# Altium PCB [CC2538] PCB v2.PcbDoc (continued)
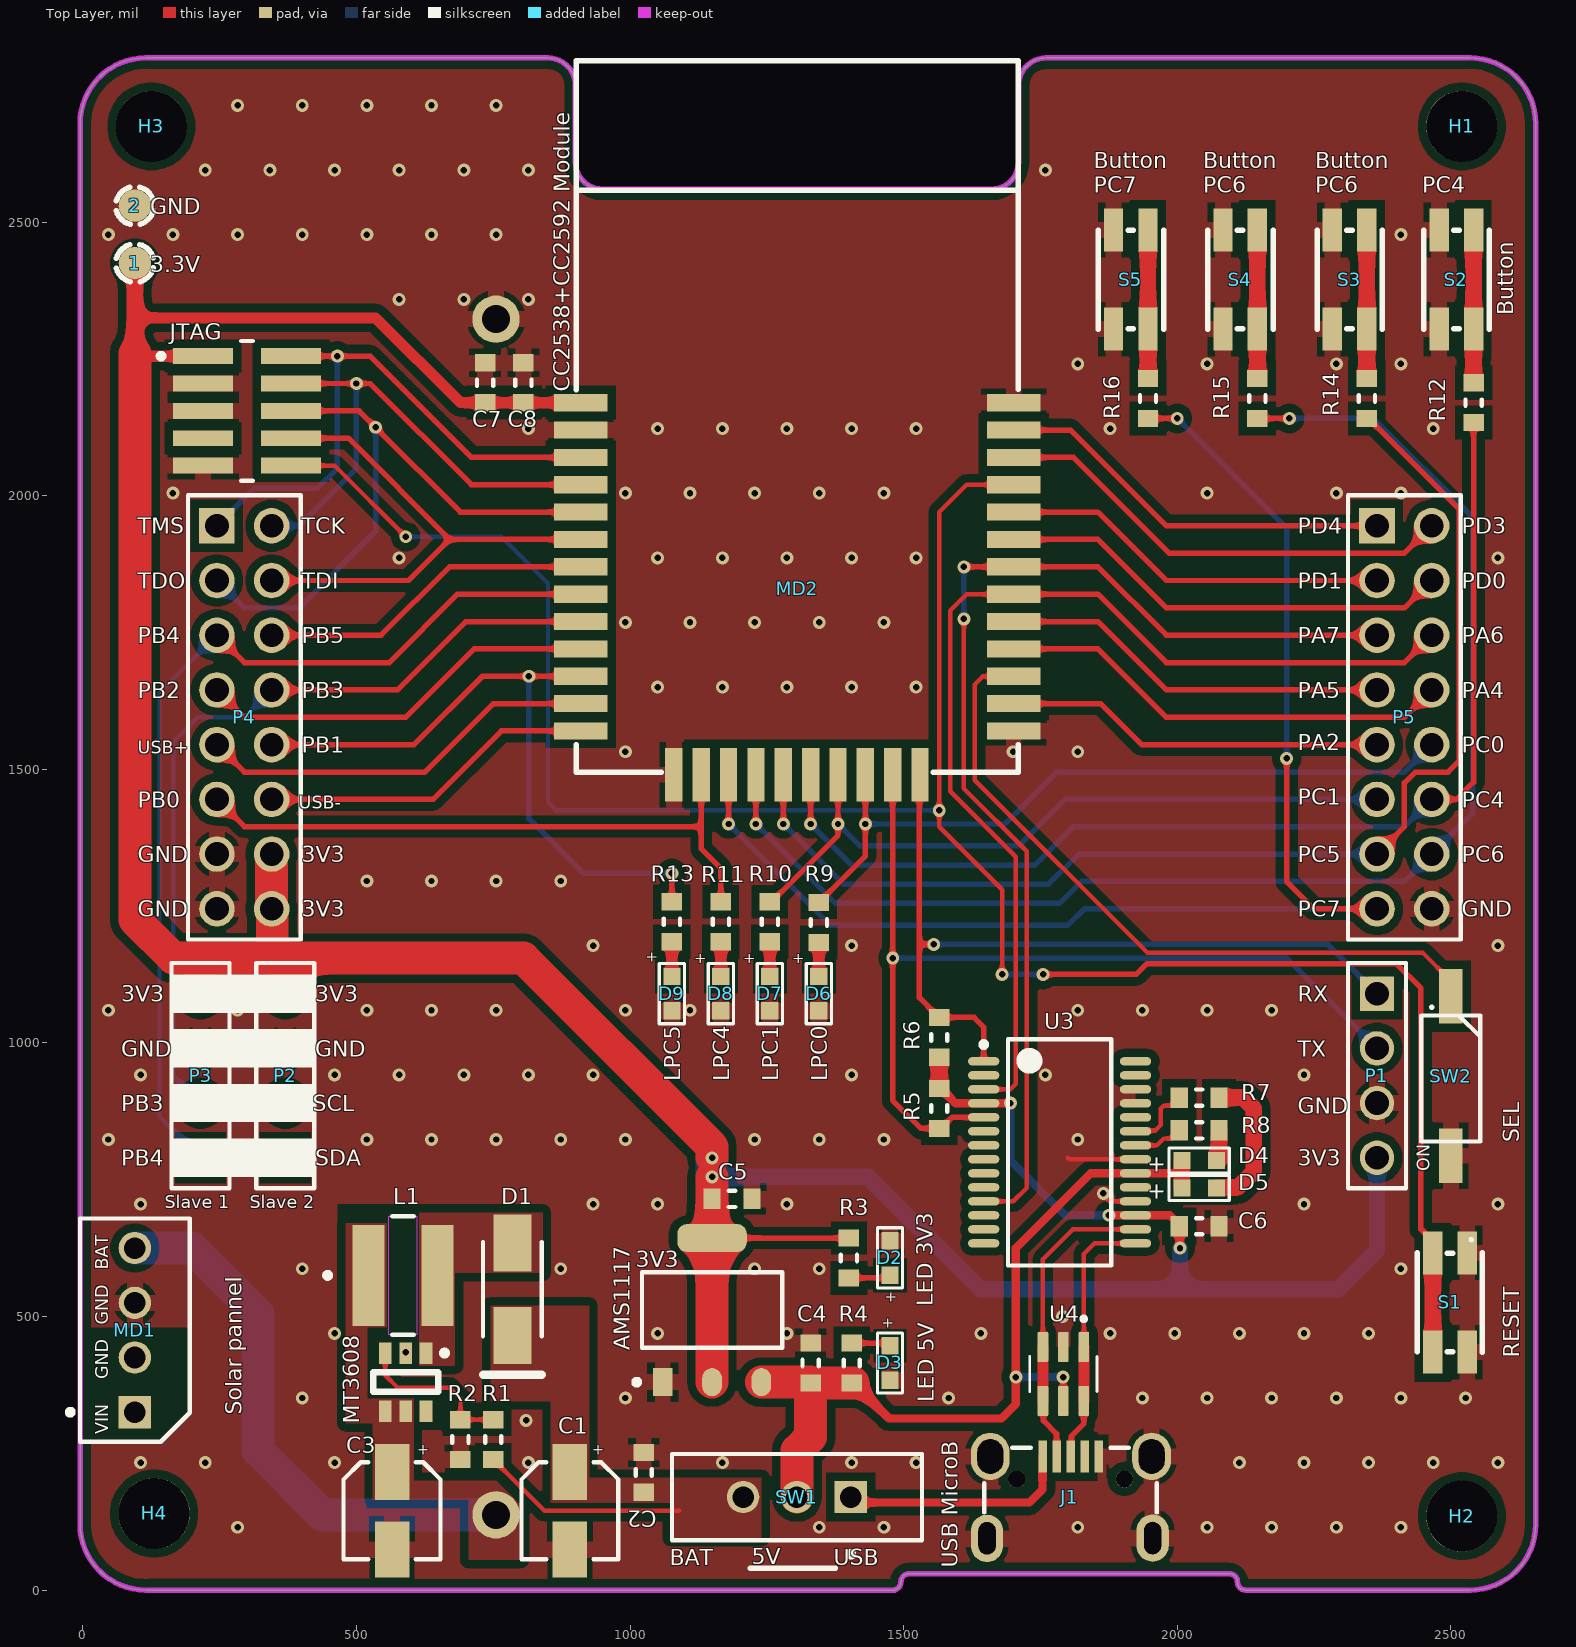
[diagram p0: Top Layer view]
## Footprints (in the part's own frame and the unit in brackets; to place one, negate y for a bottom-side part, rotate by r counter-clockwise, add the part's x,y. Pads: shape width x height; smd on the part's side, far side on the other; paste and mask are expansions set on the pad) (continued)
BCAAC [mm] "Battery Holder (Open) AA 1 Cell PC Pin"
  round 2.2 hole 1.3: 1(28.004,-0.127) 2(-27.496,-0.127)
  silkscreen extent -29.6,-8.33 30.1,8.07, body extent -29.6,-8.33 30.1,8.07, height 13.25
CAP_0603 [mm] "Chip Capacitor, 2-Leads, Body 1.80x0.80mm, IPC Medium Density"
  rect 0.8x0.95 smd: 1(-0.925,0) 2(0.925,0)
  silkscreen extent -0.15,-0.38 0.15,0.38, body extent -0.95,-0.45 0.95,0.45, height 0.9
"Dip Switch 1 2.54-Footprint-1" [mm]
  rect 1.1x2.54 smd: 1(0,-3.81) 2(0,3.59)
  silkscreen extent -1.37,-2.93 1.37,2.93, body extent -1.22,-4.32 1.22,4.32, height 2.65
ESWI-EG1218_V [mm] "THD, 3-Leads, Body 11.6x4mm, Pitch 2.5mm"
  rect 1.5x1.5 hole 1: 1(-2.5,0)
  round 1.5 hole 1: 2(0,0) 3(2.5,0)
  silkscreen extent -5.8,-2 5.8,2.77, body extent -5.8,-2 5.8,2, height 7.4
FP-AMS1117-IPC_B [mm]
  rect 1.304x0.912 smd paste+0 mask+0: 1(-3.345,2.29)
  rrect100% 1.304x0.912 smd paste+0 mask+0: 2(-3.345,0) 3(-3.345,-2.29)
  rrect70% 1.304x3.222 smd paste+0 mask+0: 4(3.345,0)
  silkscreen extent -3.47,-3.25 1.75,3.62, body extent -4.25,-3.5 4.25,3.5, height 0.25
FP-FTSH-105-01-L-DV-K-P-T-MFG [mm]
  rect 0.74x2.79 smd paste+0 mask+0: 1(-2.54,-2.035) 2(-2.54,2.035) 3(-1.27,-2.035) 4(-1.27,2.035) 5(0,-2.035) 6(0,2.035) 7(1.27,-2.035) 8(1.27,2.035) 9(2.54,-2.035) 10(2.54,2.035)
  silkscreen extent -3.24,-4.11 3.24,0.27, body extent -3.34,-3.53 3.34,3.53, height 0.25
FTDI-SSOP-28_L [mm] "SOP, 28-Leads, Body 10.5x5.6mm, Pitch 0.65mm, IPC High Density"
  oval 1.45x0.381 smd: 1(-3.525,4.225) 2(-3.525,3.575) 3(-3.525,2.925) 4(-3.525,2.275) 5(-3.525,1.625) 6(-3.525,0.975) 7(-3.525,0.325) 8(-3.525,-0.325) 9(-3.525,-0.975) 10(-3.525,-1.625) 11(-3.525,-2.275) 12(-3.525,-2.925) 13(-3.525,-3.575) 14(-3.525,-4.225) 15(3.525,-4.225) 16(3.525,-3.575) 17(3.525,-2.925) 18(3.525,-2.275) 19(3.525,-1.625) 20(3.525,-0.975) 21(3.525,-0.325) 22(3.525,0.325) 23(3.525,0.975) 24(3.525,1.625) 25(3.525,2.275) 26(3.525,2.925) 27(3.525,3.575) 28(3.525,4.225)
  silkscreen extent -3.65,-5.25 2.4,5.25, body extent -3.9,-5.25 3.9,5.25, height 2
LI-ION_BATT_CHARGER_CN3791-Footprint-1 [mm]
  rect 1.5x1.5 hole 1: 1(3.81,0)
  round 1.5 hole 1: 2(1.27,0) 3(-1.27,0) 4(-3.81,0)
  silkscreen extent -5.18,-3.12 5.18,2.55
RES_0603 [mm] "Chip Resistor, 2-Leads, Body 1.55x0.85mm, IPC Medium Density"
  rect 0.8x0.95 smd: 1(-0.925,0) 2(0.925,0)
  silkscreen extent -0.15,-0.38 0.15,0.38, body extent -0.75,-0.45 0.85,0.5, height 0.5
SOT95P280X145-6N [mm] "SOT23, 6-Leads, Body 2.90x2.80mm, Pitch 0.95mm, IPC Medium Density"
  rect 1x0.6 smd: 1(-1.35,0.95) 2(-1.35,0) 3(-1.35,-0.95) 4(1.35,-0.95) 5(1.35,0) 6(1.35,0.95)
  silkscreen extent -1.47,-1.5 0.45,1.93, body extent -0.85,-1.5 0.85,1.5, height 1.45
SS210-Footprint-SMA [mm]
  rect 2.65x1.75 smd: 1(-2.15,0) 2(2.15,0)
  silkscreen extent -2.19,-1.36 3.98,1.36, body extent -2.6,-1.48 2.6,1.48, height 2.7
"Tactile Switch-3x4x2.5 Footprint" [mm]
  rect 2x0.9 smd: 1(-2.3,0.8) 2(2.3,0.8) 3(2.3,-0.8) 4(-2.3,-0.8)
  silkscreen extent -2.3,-1.5 2.31,1.52
"Test point 1.5mm-Footprint-1" [mm]
  round 1.5 smd: 1(0,0)
  silkscreen extent -0.86,-0.86 0.86,0.86
USBLC6-2SC6-Footprint-1 [mm]
  rrect25% 1.4x0.5 smd: 1(-1.255,0.95) 2(-1.255,0) 3(-1.255,-0.95) 4(1.255,-0.95) 5(1.255,0) 6(1.255,0.95)
  silkscreen extent -2.65,-1.57 0.81,1.57, body extent -1.4,-1.46 1.4,1.46, height 1.44
WAVGAT-CC2538-CC2592-Footprint [mm]
  rect 2.5x0.8 smd paste+0 mask+0: 1(0.2,17.145) 2(0.2,15.875) 3(0.2,14.605) 4(0.2,13.335) 5(0.2,12.065) 6(0.2,10.795) 7(0.2,9.525) 8(0.2,8.255) 9(0.2,6.985) 10(0.2,5.715) 11(0.2,4.445) 12(0.2,3.175) 13(0.2,1.905) 24(20.3,1.905) 25(20.3,3.175) 26(20.3,4.445) 27(20.3,5.715) 28(20.3,6.985) 29(20.3,8.255) 30(20.3,9.525) 31(20.3,10.795) 32(20.3,12.065) 33(20.3,13.335) 34(20.3,14.605) 35(20.3,15.875) 36(20.3,17.145)
  rect 0.8x2.5 smd paste+0 mask+0: 14(4.521,-0.127) 15(5.791,-0.127) 16(7.061,-0.127) 17(8.331,-0.127) 18(9.601,-0.127) 19(10.871,-0.127) 20(12.141,-0.127) 21(13.411,-0.127) 22(14.681,-0.127) 23(15.951,-0.127)
  silkscreen extent 0,0 20.51,33.02
WCAP-ASLI_D4H5.5 [mm] "Aluminium Electrolytic V-Chip SMT Capacitors, 4x5.5mm"
  rect 2.6x1.6 smd: 1(1.8,0) 2(-1.8,0)
  silkscreen extent -2.25,-2.25 2.25,2.25, body extent -2.5,-2.15 2.5,2.15, height 5.5
"WE-PD2A_4D28 (4730)" [mm]
  rect 1.5x4.7 smd: 1(-1.6,0) 2(1.6,0)
  Top Layer keep-out region: -0.65,2.75 0.65,2.75 0.65,-2.75 -0.65,-2.75
  silkscreen extent -3.62,-2.75 0.5,2.75, body extent -2.9,-2.6 2.89,2.6, height 4.5
WL-SMCW_0603_H=0.7mm#1 [mm] "SMD Mono-color Chip LED, body 1.6x0.8mm"
  rect 0.8x0.8 smd: 1(-0.8,0) 2(0.8,0)
  silkscreen extent -1.4,-0.58 1.4,0.58, body extent -0.8,-0.4 0.8,0.4, height 0.7
WL-SMCW_0603_H=0.7mm#2 [mm] "SMD Mono-color Chip LED, body 1.6x0.8mm"
  rect 0.8x0.8 smd: 1(-0.8,0.008) 2(0.8,0.008)
  silkscreen extent -1.4,-0.58 1.4,0.59, body extent -0.8,-0.39 0.8,0.41, height 0.7

## Part data
1 2: library part CMP-00028-00008-2, "Test point, 1.5mm radius"
AMS1117: library part CMP-019-00052-6, "Fixed Positive LDO Regulator, 3.3V, 1.3V Dropout, PDSO3", Case/Package=SOT-223, Dropout Voltage=1.3V, Max Operating Temperature=125°C, Max Supply Voltage=15V, Min Operating Temperature=-40°C, Min Supply Voltage=4.8V, Nominal Supply Current=1A, Output Voltage=3.3V, Locally Supplier Name=Thegioiic, Locally Supplier URL=https://www.thegioiic.com/ams1117-3-3v-ic-on-ap-3-3v-1a-sot-223, Mounting Technology=SMT, Output Current=1A, Pins=3, RoHS Compliant=Yes
BT1: library part CMP-00029-00002-3, "Battery Holder (Open) AA 1 Cell PC Pin", Supplier Locally Name=Thegioiic, Supplier Locally URL=https://www.thegioiic.com/hop-pin-1xaa-xuyen-lo-han-pcb
C1 C3: library part CMP-001-00129-2, "V-Chip, D4 x H5.5mm, 22uF, 16V", Capacitance Tolerance=+/-20%, Leakage Current=3.52uA, Manufacturer="Wurth Elektronik", Manufacturer Part Number=N/A, Operating Temperature Max=105°C, Operating Temperature Min=-55°C, Rated Voltage (DC)=16V, Ripple Current=90mA, Category="Aluminum Electrolytic Capacitors", Component Type=Standard, Design Item ID=865080340003, Diameter=4mm, Dissipation Factor=16%, Endurance=2000h, Height=5.5mm, Mount="Surface Mount", Packaging="Tape and Reel", Pins=2, Source=Al_Cap.SchLib, Supplier 1 Name=Mouser, Supplier 1 SN=710-865080340003, Supplier 1 URL=https://www.mouser.com/ProductDetail/Wurth-Elektronik/865080340003?qs=0KOYDY2FL2%252BowmC4S50IuQ%3D%3D, Supplier 2 Name=Digi-Key, Supplier 2 SN=N/A, Supplier 2 URL=N/A, Supplier 3 Name=thegioiic, Supplier 3 SN=N/A, Supplier 3 URL=https://www.thegioiic.com/tu-nhom-smd-22uf-16v-4x5-4mm
C2 C7: library part CMP-001-00177-2, "CAP, size 0603, 1 uF, 16 VDC, 10%", Case/Package=0603, LCSC Part #=C1592, Manufacturer="Samsung Electro-Mechanics", Manufacturer Part Number=CL10B105KO8NNWC, Operating Temperature Max="+ 85 C", Operating Temperature Min="- 40 C", Supplier 1 Part Number=187-CL10B105KO8NNWC, Supplier 2 Part Number=1276-CL10B105KO8NNWCTR-ND, Supplier 3 Part Number=N/A, Tolerance=10%, Voltage Rating DC="16 VDC", Component Type=Standard, ComponentLink1Description=Datasheet, ComponentLink1URL=https://www.mouser.vn/datasheet/2/585/Samsung_MLCC_1837944-1929650.pdf, Design Item ID=0106031051016, Mount=SMD/SMT, Packaging="Tape and Reel", Pins=2, Source=Capacitor_0603_10_percent.SchLib, Supplier 1 URL=https://www.mouser.vn/ProductDetail/Samsung-Electro-Mechanics/CL10B105KO8NNWC?qs=81r%252BiQLm7BT%252BXtc72qn1ug%3D%3D&utm_source=mouser-refine-download&utm_medium=file&utm_campaign=CL10B105KO8NNWC&utm_content=Samsung-Electro-Mechanics, Supplier 2 URL=https://www.digikey.com/en/products/detail/samsung-electro-mechanics/cl10b105ko8nnwc/16572783, Supplier 3 URL=https://www.thegioiic.com/tu-gom-0603-1uf-16v
C4 C5: library part CMP-001-00181-2, "CAP, size 0603, 10 uF, 10 VDC, 10%", Case/Package=0603, LCSC Part #=C19702, Manufacturer="Samsung Electro-Mechanics", Manufacturer Part Number=CL10A106KP8NNNC, Operating Temperature Max="+ 85 C", Operating Temperature Min="- 40 C", Supplier 1 Part Number=187-CL10A106KP8NNNC, Supplier 2 Part Number=1276-1192-2-ND, Supplier 3 Part Number=N/A, Tolerance=10%, Voltage Rating DC="10 VDC", Component Type=Standard, ComponentLink1Description=Datasheet, ComponentLink1URL=https://www.mouser.vn/datasheet/2/585/MLCC-1837944.pdf, Design Item ID=0106031061010, Mount=SMD/SMT, Packaging="Tape and Reel", Pins=2, Source=Capacitor_0603_10_percent.SchLib, Supplier 1 URL=https://www.mouser.vn/ProductDetail/Samsung-Electro-Mechanics/CL10A106KP8NNNC?qs=X6jEic%2FHinAlyfRHj7fKwg%3D%3D, Supplier 2 URL=https://www.digikey.com/en/products/detail/samsung-electro-mechanics/cl10a106kp8nnnc/3886850, Supplier 3 URL=https://www.thegioiic.com/tu-gom-0603-10uf-25v
C6 C8: library part CMP-001-00176-2, "CAP, size 0603, 100 nF, 50 VDC, 10%", Case/Package=0603, LCSC Part #=C14663, Manufacturer=TDK, Manufacturer Part Number=CGA3E3X8R1H104K080AE, Operating Temperature Max="+ 85 C", Operating Temperature Min="- 40 C", Supplier 1 Part Number=810-CGA3E3X8R1H104KA, Supplier 2 Part Number=445-173697-2-ND, Supplier 3 Part Number=N/A, Tolerance=10%, Voltage Rating DC="50 VDC", Component Type=Standard, ComponentLink1Description=Datasheet, ComponentLink1URL=https://product.tdk.com/system/files/dam/doc/product/capacitor/ceramic/mlcc/catalog/mlcc_automotive_soft_en.pdf?ref_disty=mouser, Design Item ID=0106031041050, Mount=SMD/SMT, Packaging="Tape and Reel", Pins=2, Source=Capacitor_0603_10_percent.SchLib, Supplier 1 URL=https://www.mouser.com/ProductDetail/TDK/CGA3E3X8R1H104K080AE?qs=nQSIdc08i%252Bd8g3IRRgU2bw%3D%3D&utm_source=mouser-refine-download&utm_medium=file&utm_campaign=CGA3E3X8R1H104K080AE&utm_content=TDK, Supplier 2 URL=https://www.digikey.com/en/products/detail/tdk-corporation/cga3e3x8r1h104k080ae/5809262, Supplier 3 URL=https://www.thegioiic.com/tu-gom-0603-100nf-0-1uf-50v
D1: library part CMP-004-00056-1, "Rectifier Diode, Schottky, 1 Phase, 1 Element, 1.5A, 100V V(RRM), Silicon, DO-214AA", Forward Voltage=430mV, Max Operating Temperature=150°C, Min Operating Temperature=-55°C, Pins=2, RoHS Compliant=Yes
D2 D3 D4 D5: library part CMP-004-00033-2, "WL-SMCW SMT Mono-color Chip LED Blur, size 0603, Green, 3.2V, 140deg", Color=Green, Component Type=Standard, ComponentLink1Description="Datasheet link", ComponentLink1URL=N/A, ComponentLink2Description="Supplier 1 URL", ComponentLink2URL=https://www.mouser.vn/ProductDetail/ROHM-Semiconductor/SMLD12EN1WT86?qs=qSfuJ%252Bfl%2Fd4fR%252B9yZydIwg%3D%3D, ComponentLink3Description="Supplier 2 URL", ComponentLink3URL=https://www.digikey.com/en/products/detail/rohm-semiconductor/SML-D12M8WT86/1641797, ComponentLink4Description="Supplier 3 URL", ComponentLink4URL=N/A, Design Item ID=160603GreenBlur, Pins=2, Size=0603, Source=WL-SMCW_0603.SchLib, Supplier 1 Name=Mouser, Supplier 1 SN=755-SMLD12EN1WT86, Supplier 1 URL=https://www.mouser.vn/ProductDetail/ROHM-Semiconductor/SMLD12EN1WT86?qs=qSfuJ%252Bfl%2Fd4fR%252B9yZydIwg%3D%3D, Supplier 2 Name=Digi-Key, Supplier 2 SN=511-1578-2-ND, Supplier 2 URL=https://www.digikey.com/en/products/detail/rohm-semiconductor/SML-D12M8WT86/1641797, Supplier 3 Name=ICDayRoi, Supplier 3 SN=N/A, Supplier 3 URL=N/A, Type=Blur
D6: library part CMP-004-00038-2, "WL-SMCW SMT Mono-color Chip LED Waterclear, size 0603, Red, 2V, 140deg", Color=Red, Component Type=Standard, ComponentLink1Description="Datasheet link", ComponentLink1URL=N/A, ComponentLink2Description="Supplier 1 URL", ComponentLink2URL=https://www.mouser.vn/ProductDetail/Wurth-Elektronik/150060RS75000?qs=LlUlMxKIyB3QnmZ3fw%2FVCA%3D%3D, ComponentLink3Description="Supplier 2 URL", ComponentLink3URL=https://www.digikey.com/en/products/detail/liteon/LTST-C191KRKT/386837, ComponentLink4Description="Supplier 3 URL", ComponentLink4URL=https://www.thegioiic.com/led-do-0603-dan-smd-trong-suot, Design Item ID=160603RedClear, Pins=2, Size=0603, Source=WL-SMCW_0603.SchLib, Supplier 1 Name=Mouser, Supplier 1 SN=710-150060RS75000, Supplier 1 URL=https://www.mouser.vn/ProductDetail/Wurth-Elektronik/150060RS75000?qs=LlUlMxKIyB3QnmZ3fw%2FVCA%3D%3D, Supplier 2 Name=Digi-Key, Supplier 2 SN=160-1447-2-ND, Supplier 2 URL=https://www.digikey.com/en/products/detail/liteon/LTST-C191KRKT/386837, Supplier 3 Name=ICDayRoi, Supplier 3 SN=N/A, Supplier 3 URL=https://www.thegioiic.com/led-do-0603-dan-smd-trong-suot, Type=Clear
D7: library part CMP-004-00042-2, "WL-SMCW SMT Mono-color Chip LED Waterclear, size 0603, Yellow, 2V, 140deg", Color=Yellow, Component Type=Standard, ComponentLink1Description="Datasheet link", ComponentLink1URL=N/A, ComponentLink2Description="Supplier 1 URL", ComponentLink2URL=https://www.mouser.com/ProductDetail/Wurth-Elektronik/150060YS75003?qs=Li%252BoUPsLEnvfob7qsAi9dA%3D%3D, ComponentLink3Description="Supplier 2 URL", ComponentLink3URL=https://www.digikey.com/en/products/detail/liteon/LTST-C191KSKT/386839, ComponentLink4Description="Supplier 3 URL", ComponentLink4URL=https://icdayroi.com/led-yellow-0603, Design Item ID=160603YellowClear, Pins=2, Size=0603, Source=WL-SMCW_0603.SchLib, Supplier 1 Name=Mouser, Supplier 1 SN=710-150060YS75003, Supplier 1 URL=https://www.mouser.com/ProductDetail/Wurth-Elektronik/150060YS75003?qs=Li%252BoUPsLEnvfob7qsAi9dA%3D%3D, Supplier 2 Name=Digi-Key, Supplier 2 SN=160-1448-2-ND, Supplier 2 URL=https://www.digikey.com/en/products/detail/liteon/LTST-C191KSKT/386839, Supplier 3 Name=ICDayRoi, Supplier 3 SN=N/A, Supplier 3 URL=https://icdayroi.com/led-yellow-0603, Type=Clear
D8: library part CMP-004-00034-2, "WL-SMCW SMT Mono-color Chip LED Waterclear, size 0603, Green, 3.2V, 140deg", Color=Green, Component Type=Standard, ComponentLink1Description="Datasheet link", ComponentLink1URL=N/A, ComponentLink2Description="Supplier 1 URL", ComponentLink2URL=https://www.mouser.vn/ProductDetail/Wurth-Elektronik/150060GS75000?qs=LlUlMxKIyB0UYkq5lDO8nA%3D%3D, ComponentLink3Description="Supplier 2 URL", ComponentLink3URL=https://www.digikey.com/en/products/detail/liteon/LTST-C191KGKT/386835, ComponentLink4Description="Supplier 3 URL", ComponentLink4URL=https://www.thegioiic.com/led-xanh-la-0603-dan-smd-trong-suot, Design Item ID=160603GreenClear, Pins=2, Size=0603, Source=WL-SMCW_0603.SchLib, Supplier 1 Name=Mouser, Supplier 1 SN=710-150060GS75000, Supplier 1 URL=https://www.mouser.vn/ProductDetail/Wurth-Elektronik/150060GS75000?qs=LlUlMxKIyB0UYkq5lDO8nA%3D%3D, Supplier 2 Name=Digi-Key, Supplier 2 SN=160-1446-2-ND, Supplier 2 URL=https://www.digikey.com/en/products/detail/liteon/LTST-C191KGKT/386835, Supplier 3 Name=ICDayRoi, Supplier 3 SN=N/A, Supplier 3 URL=https://www.thegioiic.com/led-xanh-la-0603-dan-smd-trong-suot, Type=Clear
D9: library part CMP-007-00036-1, Colour=Orange
H1 H2 H3 H4: library part CMP-034-000004-2, Component Type="Standard (No BOM)", Design Item ID="Tooling Hole 3mm", Pin Count=0, Source=Hole.SchLib
J1: library part CMP-002-00305-4, "Micro USB 2.0 Type B Receptacle WR-COM, Horizontal, SMT, with Pegs, High Current at Pin 1 & Pin 5"
JTAG: library part CMP-002-00347-1, "JTAG Connector - Board Connector, 10 Contact(s), 2 Row(s), Male, Straight, 0.05 inch Pitch, Surface Mount Terminal, Locking", Connector Type="BOARD CONNECTOR", Mounting Technology=Board, RoHS Compliant=Yes
L1: library part CMP-006-00021-3, "General Purpose Inductor", RoHS Compliant=Yes
MD1: library part CMP-00029-00007-6, "CN3791 MPPT solar charge controller module uses the CN3791 IC which’s a pulse width modulated switch-mode lithium-ion battery charge controller that can be powered by a photovoltaic cell with maximum power point tracking function"
MD2: library part CMP-021-00009-2, "WAVGAT-CC2538-CC2592 Module"
MT3608: library part CMP-019-00055-2, "1.2MHz 2A Vi=2V~24V Vo=28V(Max)", Case/Package=SOT23-6, Frequency=1.2MHz, Max Operating Temperature=85°C, Max Supply Voltage=24V, Min Operating Temperature=-40°C, Min Supply Voltage=2V, Locally Supplier Name=Thegioiic, Locally Supplier URL=https://www.thegioiic.com/mt3608-ic-dieu-chinh-tang-ap-2a-sot-23-6, Mounting Technology=SMT
P1 P2 P3: library part CMP-002-01000-1, "WR-PHD Pin Header, THT, pitch 2.54mm, Single Row, Vertical, 4p", Contact Resistance=20mOhm, LCSC Part #=N/A, Manufacturer="Wurth Elektronik", Operating Temperature Max="+ 85 C", Operating Temperature Min="- 25 C", Rated Current=3A, Supplier 1 Part Number=710-61300311121, Withstanding Voltage=500VAC, Working Voltage=250VAC, Component Type=Standard, ComponentLink1Description=Datasheet, ComponentLink1URL=https://www.we-online.com/catalog/datasheet/61300411121.pdf, Design Item ID=61300411121, Gender="Pin Header", Manufacturer Part Number=61300411121, Mount=THT, Orientation=Vertical, Packaging=Bag, Pin Number=4, Pins=4, Pitch=2.54mm, Published Date="May 2020", Row Number=Single, Source="WR-PHD_Pin Header_2.54mm.SchLib", Supplier 1 URL=https://www.mouser.vn/ProductDetail/Wurth-Elektronik/61300311121?qs=PhR8RmCirEYxRWFJzNKsUw%3D%3D, Supplier 2 Part Number=N/A, Supplier 2 URL=N/A, Supplier 3 Part Number=N/A, Supplier 3 URL=N/A
P4 P5: library part CMP-002-01084-1, "WR-PHD Pin Header, THT, pitch 2.54mm, Dual Row, Vertical, 16p", Contact Resistance=20mOhm, LCSC Part #=N/A, Manufacturer="Wurth Elektronik", Operating Temperature Max="+ 85 C", Operating Temperature Min="- 25 C", Rated Current=3A, Supplier 1 Part Number=710-61301621121, Withstanding Voltage=500VAC, Working Voltage=250VAC, Component Type=Standard, ComponentLink1Description=Datasheet, ComponentLink1URL=https://www.we-online.com/catalog/datasheet/61301621121.pdf, Design Item ID=61301621121, Gender="Pin Header", Manufacturer Part Number=61301621121, Mount=THT, Orientation=Vertical, Packaging=Bag, Pin Number=16, Pins=16, Pitch=2.54mm, Published Date="May 2020", Row Number=Dual, Source="WR-PHD_Pin Header_2.54mm.SchLib", Supplier 1 URL=https://www.mouser.vn/ProductDetail/Wurth-Elektronik/61301621121?qs=PhR8RmCirEZBHI%2Fm2diuGA%3D%3D, Supplier 2 Part Number=N/A, Supplier 2 URL=N/A, Supplier 3 Part Number=N/A, Supplier 3 URL=https://www.thegioiic.com/hang-rao-duc-doi-2-54mm-16-chan-2-hang-cao-11-2mm-xuyen-lo
R1: library part CMP-009-00278-4, "RES, size 0603, 22 KOhm, 1/10 W, 1%", Case/Package=0603, LCSC Part #=N/A, Manufacturer=OEM, Operating Temperature Max="+ 85 C", Operating Temperature Min="- 40 C", Rated Power="1/10 W", Supplier 1 Part Number=667-ERJ-UP3F2202V, Supplier 2 Part Number="10-ERJ-UP3F2202VTR-ND 10-ERJ-UP3F2202VCT-ND 10-ERJ-UP3F2202VDKR-ND", Tolerance=1%, Component Type=Standard, ComponentLink1Description=Datasheet, ComponentLink1URL=https://api.pim.na.industrial.panasonic.com/file_stream/main/fileversion/4484, Design Item ID=0006032231, Manufacturer Part Number=OEM, Mount=SMD/SMT, Packaging="Tape and Reel", Pins=2, Source=Resistor_0603.SchLib, Supplier 1 URL=https://www.mouser.vn/ProductDetail/Panasonic/ERJ-UP3F2202V?qs=sGAEpiMZZMvdGkrng054twq3eZrCFN893x5tBCka%252B6wRswHHN2WaIQ%3D%3D, Supplier 2 URL=https://www.digikey.com/en/products/detail/panasonic-electronic-components/ERJ-UP3F2202V/12092693, Supplier 3 Part Number=N/A, Supplier 3 URL=N/A
R2: library part CMP-009-00309-4, "RES, size 0603, 3.1  KOhm, 1/10 W, 1%", Case/Package=0603, LCSC Part #=N/A, Manufacturer=OEM, Operating Temperature Max="+ 85 C", Operating Temperature Min="- 40 C", Rated Power="1/10 W", Supplier 1 Part Number=652-CHP0603FX3011ELF, Supplier 2 Part Number=MCT06030C3101FP500-ND, Tolerance=1%, Component Type=Standard, ComponentLink1Description=Datasheet, ComponentLink1URL=N/A, Design Item ID=0006033121, Manufacturer Part Number=OEM, Mount=SMD/SMT, Packaging="Tape and Reel", Pins=2, Source=Resistor_0603.SchLib, Supplier 1 URL=https://www.mouser.vn/ProductDetail/Bourns/CHP0603-FX-3011ELF?qs=gZXFycFWdAOzN1n7XWkwdg%3D%3D, Supplier 2 URL=https://www.digikey.com/en/products/detail/vishay-beyschlag-draloric-bc-components/MCT06030C3101FP500/8124767, Supplier 3 Part Number=N/A, Supplier 3 URL=N/A
R3 R4 R7 R8 R9 R10 R11 R13: library part CMP-009-00185-4, "RES, size 0603, 1 KOhm, 1/10 W, 1%", Case/Package=0603, LCSC Part #=C22548, Manufacturer=YAGEO, Manufacturer Part Number=RC0603FR-071KL, Operating Temperature Max="+ 85 C", Operating Temperature Min="- 40 C", Rated Power="1/10 W", Supplier 1 Part Number=603-RC0603FR-071KL, Supplier 2 Part Number=311-1.00KHRTR-ND, Supplier 3 Part Number=N/A, Tolerance=1%, Component Type=Standard, ComponentLink1Description=Datasheet, ComponentLink1URL=https://www.yageo.com/upload/media/product/productsearch/datasheet/rchip/PYu-SR_20105_RoHS_L_10.pdf, Design Item ID=0006031021, Mount=SMD/SMT, Packaging="Tape and Reel", Pins=2, Source=Resistor_0603.SchLib, Supplier 1 URL=https://www.mouser.vn/ProductDetail/YAGEO/RC0603FR-071KL?qs=VU8sRB4EgwApHsk4rF%2F3zg%3D%3D, Supplier 2 URL=https://www.digikey.com/en/products/detail/yageo/rc0603fr-071kl/726843, Supplier 3 URL=N/A
R5 R6: library part CMP-009-00187-4, "RES, size 0603, 10 KOhm, 1/10 W, 1%", Case/Package=0603, LCSC Part #=C98220, Manufacturer=YAGEO, Manufacturer Part Number=RC0603FR-0710KL, Operating Temperature Max="+ 85 C", Operating Temperature Min="- 40 C", Rated Power="1/10 W", Supplier 1 Part Number=N/A, Supplier 2 Part Number=311-10.0KHRTR-ND, Tolerance=1%, Component Type=Standard, ComponentLink1Description=Datasheet, ComponentLink1URL=https://fscdn.rohm.com/en/products/databook/datasheet/passive/resistor/chip_resistor/esr-e.pdf, Design Item ID=0006031031, Mount=SMD/SMT, Packaging="Tape and Reel", Pins=2, Source=Resistor_0603.SchLib, Supplier 1 URL=N/A, Supplier 2 URL=https://www.digikey.com/en/products/detail/yageo/rc0603fr-0710kl/726880, Supplier 3 Part Number=N/A, Supplier 3 URL=N/A
R12 R14 R15 R16: library part CMP-009-00186-4, "RES, size 0603, 1 KOhm, 1/10 W, 5%", Case/Package=0603, LCSC Part #=N/A, Manufacturer=Panasonic, Manufacturer Part Number=ERJ-UP3J102V, Operating Temperature Max="+ 85 C", Operating Temperature Min="- 40 C", Rated Power="1/10 W", Supplier 1 Part Number=667-ERJ-UP3J102V, Tolerance=5%, Component Type=Standard, ComponentLink1Description=Datasheet, ComponentLink1URL=https://www.mouser.vn/datasheet/2/315/Panasonic_Resistors_Thick_Film_Anti_Sulf_Anti_Surg-1825099.pdf, Design Item ID=0006031025, Mount=SMD/SMT, Packaging="Tape and Reel", Pins=2, Source=Resistor_0603.SchLib, Supplier 1 URL=https://www.mouser.vn/ProductDetail/Panasonic/ERJ-UP3J102V?qs=GedFDFLaBXG0ASpYP%252B3phQ%3D%3D, Supplier 2 Part Number=667-ERJ-UP3J102V, Supplier 2 URL=https://www.mouser.vn/ProductDetail/Panasonic/ERJ-UP3J102V?qs=GedFDFLaBXG0ASpYP%252B3phQ%3D%3D, Supplier 3 Part Number=N/A, Supplier 3 URL=N/A
S1 S2 S3 S4 S5: library part CMP-011-00013-4, "Tactile Switch, 3x4x2.5mm", Mounting Technology=SMT, Pins=4
SW1: library part CMP-011-00006-4, "Slide Switch, SPDT, 500 V, -20 to 70 degC, 3-Pin THD, RoHS, Bulk", Contact Current Rating=200mA, Manufacturer=E-Switch, Max Operating Temperature=70°C, Min Operating Temperature=-20°C, Operating Force=250gf, Package Description="3-Pin Through Hole Device, Body 11.6 x 4 mm, Pitch 2.5 mm", Package Quantity=1000, Voltage Rating (AC)=30V, Case/Package=EG1218, Contact Finish=Silver, Contact Material=Copper, Contact Plating=Silver, Current Rating=200mA, Datasheet URL=https://www.e-switch.com/system/asset/product_line/data_sheet/119/EG.pdf, Datasheet Version=Oct-15, Manufacturer URL=http://www.e-switch.ch/en/, Mounting Technology=TH, Package Reference=EG1218, Packaging=Bulk, Pins=3, RoHS Compliant=True, Throw Configuration=SPDT, Voltage Rating (DC)=30V
SW2: library part CMP-011-00016-1, "Slide Dip Switch, 1 Switches, SPST, Latched, 0.025A, 24VDC, 0 PCB Hole Cnt, Solder Terminal, Surface Mount-straight"
U3: library part CMP-015-00000-6, "USB UART IC, -0.5 to 6 V, 24 mA, -40 to 85 degC, 28-Pin SSOP, RoHS, Tape and Reel", Case/Package=SSOP, Manufacturer="Future Technology Devices International (FTDI)", Max Operating Temperature=85°C, Max Supply Voltage=5.25V, Min Operating Temperature=-40°C, Min Supply Voltage=3.3V, Nominal Supply Voltage=5V, Package Quantity=2000, Channels=1, Data Rate=3Mbps, Datasheet URL=http://datasheet.octopart.com/FT232RL-FTDI-datasheet-120501.pdf, Datasheet Version="Rev. 1.04, 02/2006", Interface=UART, Locally Supplier Name=Thegioiic, Locally Supplier URL=https://www.thegioiic.com/ft232rl-ic-usb-to-serial-uart-28-ssop, Manufacturer URL=http://www.ftdichip.com/, Packaging=TapeandReel, Pins=16, RoHS Compliant=True
U4: library part CMP-004-00055-1, "17V Clamp 5A (8/20Âµs) Ipp Tvs Diode Surface Mount SOT-23-6"

## Via types
v1: diameter 23.62, hole 11.81, Top Layer to Bottom Layer, tented both sides, 175 vias
v2: diameter 23.62, hole 11.81, Top Layer to Bottom Layer, 8 vias

## Nets (pads, with @x,y where several pads share a name; then routed paths per layer and width w, separated by ;. In a path a pad name is that pad's centre, name@x,y a point inside that pad or via, vN(x,y) a via of type N, cw(c..) or ccw(c..) an arc to the next point about the centre after c; other vN are vias at no path point)
3V3: 1.1 AMS1117.2 AMS1117.4 C5.2 C6.2 C7.2 C8.2 JTAG.1 MD2.1 P1.4 P2.4 P3.4 P4.14 P4.16 R3.2 R5.2 R6.2 U3.4 U3.17 | length 6709.4
  Top Layer w10: AMS1117.4 R3.2
  Top Layer w15: R5.2 1567.95,916.42 1594.8,889.57 U3.4 1694.57,889.57 v1(1695,890) ; v1(1875,685) 1875.16,684.84 U3.17 1986.69,684.84 2003.58,667.95 C6.2 2004.29,664.29 2004.29,625.71 v1(2005,625)
  Top Layer w20: 95,2325 535,2325 690,2170 C7.2 C8.2 MD2.1 ; 100,2255 JTAG.1
  Top Layer w30: 1.1 95,2325 95,2260 100,2255 ; R5.2 R6.2
  Top Layer w60: 95,2260 95,1225 165,1155 215,1155 ; P3.4 215,1155 ; P4.16 P4.14 ; P4.16@345.95,1244.05 345.95,1155 ; P2.4 370,1155 ; AMS1117.2 AMS1117.4 C5.2@1149.84,713.74 ; C5.2 1150,715.16 v1(1150,755) ; v1(1150,790) 1150,810 805,1155 370,1155 ; 215,1155 345.95,1155 ; 345.95,1155 370,1155
  Bottom Layer w15: v1(1695,890) 1695,785 1795,685 v1(1875,685)
  Bottom Layer w30: v1(1150,755) 1435,755 1640.25,549.75 2005,549.75 ; v1(2005,625) 2005,549.75 ; P1.4 2365,620 2294.75,549.75 2005,549.75
  Bottom Layer w60: v1(1150,755) v1(1150,790)
5V: AMS1117.3 C4.2 D4.2 D5.2 R4.2 SW1.2 U3.20 U4.5 | length 1546.4
  Top Layer w10: v2(1791.36,389.36) 1791.58,389.13 1791.58,345.82 U4.5
  Top Layer w15: R4.2@1407.95,378.58 1472.88,313.65 1678.65,313.65 1705,340 v2(1705,389.36) 1705,625 1841.61,761.61 U3.20 2006.89,761.61 2008.5,760
  Top Layer w30: D5.2 2008.5,760 D4.2
  Top Layer w60: AMS1117.3 C4.2@1328.58,380 ; SW1.2 1305,255 1330,280 C4.2 R4.2 R4.2@1407.95,378.58
  Bottom Layer w15: v2(1705,389.36) v2(1791.36,389.36)
5V_BAT: C1.1 C2.2 D1.2 R1.2 SW1.3 | length 380.5
  Top Layer w8: R1.2 752.95,238.58 764.7,226.83 764.7,223.88 843.58,145 1090,145
5V_USB: J1.1 SW1.1 | length 424.8
  Top Layer w15: SW1.1 1413.43,160 1730,160 1753.82,183.82 J1.1
GND: 2.1 AMS1117.1 BT1.2 C1.2 C2.1 C3.2 C4.1 C5.1 C6.1 C7.1 C8.1 D2.1 D3.1 D6.1 D7.1 D8.1 D9.1 J1.5 J1.Shell JTAG.3 JTAG.5 JTAG.9 MD1.3 MD2.2 MD2.14 MD2.24 MD2.36 MT3608.2 P1.3 P2.3 P3.3 P4.13 P4.15 P5.16 R2.1 S1.3 S1.4 S2.3 S2.4 S3.3 S3.4 S4.3 S4.4 S5.3 S5.4 SW2.2 U3.7 U3.18 U3.21 U3.25 U3.26 U4.2 | length 346.5
  Top Layer w8: 1800,790 1802.8,787.2 U3.21 ; v1(1865,725) 1865,721.97 1876.53,710.43 U3.18
  Bottom Layer w60: P3.3 P2.3
  other v1: 282.76,114.76 1345.75,114.76 1463.86,114.76 1818.19,114.76 2054.41,114.76 2172.52,114.76 2290.63,114.76 2408.74,114.76 105.59,232.87 223.7,232.87 459.92,232.87 814.25,232.87 1168.58,232.87 1404.8,232.87 1522.91,232.87 2113.46,232.87 2231.57,232.87 2349.68,232.87 2467.79,232.87 2585.9,232.87 400.87,350.98 991.42,350.98 1581.97,350.98 1936.3,350.98 2054.41,350.98 2172.52,350.98 2290.63,350.98 2408.74,350.98 2526.85,350.98 459.92,469.09 1050.47,469.09 1286.69,469.09 1641.02,469.09 1877.24,469.09 1995.35,469.09 2113.46,469.09 2231.57,469.09 2349.68,469.09 400.87,587.2 873.31,587.2 1227.64,587.2 1345.75,587.2 2408.74,587.2 105.59,705.31 932.36,705.31 1050.47,705.31 1286.69,705.31 2231.57,705.31 2585.9,705.31 46.53,823.42 518.98,823.42 637.09,823.42 755.2,823.42 873.31,823.42 991.42,823.42 1227.64,823.42 1345.75,823.42 1463.86,823.42 1818.19,823.42 105.59,941.53 459.92,941.53 578.03,941.53 696.14,941.53 814.25,941.53 932.36,941.53 1404.8,941.53 1759.13,941.53 2231.57,941.53 46.53,1059.64 282.76,1059.64 518.98,1059.64 637.09,1059.64 755.2,1059.64 991.42,1059.64 1109.53,1059.64 1818.19,1059.64 1936.3,1059.64 2054.41,1059.64 2172.52,1059.64 932.36,1177.76 1404.8,1177.76 2585.9,1177.76 518.98,1295.87 637.09,1295.87 755.2,1295.87 873.31,1295.87 991.42,1532.09 1700.08,1532.09 1818.19,1532.09 1050.47,1650.2 1168.58,1650.2 1286.69,1650.2 1404.8,1650.2 1522.91,1650.2 991.42,1768.31 1109.53,1768.31 1227.64,1768.31 1345.75,1768.31 1463.86,1768.31 578.03,1886.42 1050.47,1886.42 1168.58,1886.42 1286.69,1886.42 1404.8,1886.42 1522.91,1886.42 2585.9,1886.42 164.64,2004.53 991.42,2004.53 1109.53,2004.53 1227.64,2004.53 1345.75,2004.53 1463.86,2004.53 2054.41,2004.53 2290.63,2004.53 2408.74,2004.53 814.25,2122.64 1050.47,2122.64 1168.58,2122.64 1286.69,2122.64 1404.8,2122.64 1522.91,2122.64 1877.24,2122.64 2467.79,2122.64 1818.19,2240.75 2054.41,2240.75 2290.63,2240.75 2408.74,2240.75 578.03,2358.86 696.14,2358.86 814.25,2358.86 46.53,2476.97 164.64,2476.97 282.76,2476.97 400.87,2476.97 518.98,2476.97 637.09,2476.97 755.2,2476.97 2408.74,2476.97 223.7,2595.08 341.81,2595.08 459.92,2595.08 578.03,2595.08 696.14,2595.08 814.25,2595.08 1759.13,2595.08 282.76,2713.19 400.87,2713.19 518.98,2713.19 637.09,2713.19 755.2,2713.19
  other v2: 810,310 590,435 1790,500
JTAG_TCK: JTAG.4 MD2.4 P4.2 | length 959.9
  Top Layer w10: JTAG.4 525,2205 710,2020 MD2.4
  Bottom Layer w10: P4.2 395,1945 500,2050 v2(500,2205)
JTAG_TDI: JTAG.8 MD2.6 P4.4 | length 962.5
  Top Layer w10: P4.4 595,1845 670,1920 ; JTAG.8 485,2105 670,1920 ; MD2.6 670,1920
JTAG_TDO: JTAG.6 MD2.5 P4.3 | length 1165.1
  Top Layer w10: JTAG.6 505,2155 v2(535,2125) 690,1970 MD2.5
  Bottom Layer w10: P4.3 295,1795 395,1795 535,1935 v2(535,2125)
JTAG_TMS: JTAG.2 MD2.3 P4.1 | length 1074.9
  Top Layer w10: JTAG.2 v2(465,2255) 525,2255 710,2070 MD2.3
  Bottom Layer w10: P4.1 272.48,1972.48 313.74,2013.74 428.74,2013.74 465,2050 v2(465,2255)
Net1_1: 
Net2_1: 
NetD1_1: D1.1 L1.2 MT3608.1
NetD2_2: D2.2 R3.1 | length 77
  Top Layer w10: R3.1 1470.08,570.55 D2.2
NetD3_2: D3.2 R4.1 | length 72
  Top Layer w10: R4.1 1470.08,451.42 D3.2
NetD4_1: D4.1 R8.2 | length 59.9
  Top Layer w30: D4.1 2076.42,785 R8.2
NetD5_1: D5.1 R7.2 | length 267.8
  Top Layer w30: D5.1 2072.24,735.75 2110.75,735.75 2140,765 2140,880 2120,900 R7.2
NetD6_2: D6.2 R9.2 | length 62.1
  Top Layer w20: D6.2 R9.2
NetD7_2: D7.2 R10.2 | length 63.5
  Top Layer w20: D7.2 R10.2
NetD8_2: D8.2 R11.2 | length 63.5
  Top Layer w20: D8.2 R11.2
NetD9_2: D9.2 R13.2 | length 63.5
  Top Layer w20: D9.2 R13.2
NetJ1_2: J1.2 U3.16 U4.3 U4.4 | length 562.7
  Top Layer w8: U4.3 1754.41,604.41 1809.25,659.25 U3.16
  Top Layer w10: U4.4 1755.5,344.5 1755.5,309.5 1779.41,285.59 J1.2
  Top Layer w20: U4.4 U4.3
NetJ1_3: J1.3 U3.15 U4.1 U4.6 | length 482.7
  Top Layer w8: U4.1 1829.21,614.21 1848.66,633.66 U3.15
  Top Layer w10: J1.3 1806.39,245.57 1806.39,281.39 1829.21,304.21 U4.6
  Top Layer w20: U4.6 U4.1
NetJ1_4: J1.4
NetJ2_7: JTAG.7
NetMD1_1: MD1.1
NetMD1_2: MD1.2
NetR1_1: MT3608.3 R1.1 R2.2 | length 294.3
  Top Layer w8: MT3608.3 552.6,392.4 575,370 670,370 690,350 R2.2 R1.1
NetR7_1: R7.1 U3.23 | length 124.6
  Top Layer w8: U3.23 1925.12,839.73 1959.73,839.73 1970,850 1970,880 1975.3,885.3 1991.83,885.3 2003.58,897.05 R7.1
NetR8_1: R8.1 U3.22 | length 92.8
  Top Layer w8: U3.22 1962.8,812.8 1975.3,825.3 1991.83,825.3 2003.58,837.05 R8.1
NetR12_2: R12.2 S2.1 S2.2 | length 279.1
  Top Layer w30: R12.2 S2.2 S2.1
NetR14_2: R14.2 S3.1 S3.2 | length 271.5
  Top Layer w30: R14.2 S3.2 S3.1
NetR15_2: R15.2 S4.1 S4.2 | length 271.5
  Top Layer w30: R15.2 S4.2 S4.1
NetR16_2: R16.2 S5.1 S5.2 | length 271.5
  Top Layer w30: R16.2 S5.2 S5.1
NetU1_6: MT3608.6
NetU3_2: U3.2
NetU3_6: U3.6
NetU3_8: U3.8
NetU3_9: U3.9
NetU3_10: U3.10
NetU3_12: U3.12
NetU3_13: U3.13
NetU3_14: U3.14
NetU3_19: U3.19
NetU3_24: U3.24
NetU3_27: U3.27
NetU3_28: U3.28
NRST: JTAG.10 MD2.33 S1.1 S1.2 | length 4195.9
  Top Layer w8: JTAG.10 460,2055 v1(590,1925) ; v1(1680,1125) 1680,1280 1565,1395 1565,1970 1615,2020 MD2.33
  Top Layer w10: v1(1755,1125) 1925,1125 1945,1145 2400,1145 2445,1100 2445,659.76 2467.01,637.76 S1.2
  Top Layer w30: S1.1 S1.2
  Bottom Layer w8: v1(590,1925) 765,1925 850,1840 850,1439.69 864.69,1425 v1(1565,1425)
  Bottom Layer w10: v1(1680,1125) v1(1755,1125)
PA2: MD2.25 P5.9 | length 694.9
  Top Layer w10: MD2.25 1860,1620 1935,1545 P5.9
PA4: MD2.27 P5.8 | length 836.3
  Top Layer w10: MD2.27 1855,1720 1980,1595 2415,1595 P5.8
PA5: MD2.28 P5.7 | length 715.6
  Top Layer w10: MD2.28 1855,1770 1980,1645 P5.7
PA6: MD2.29 P5.6 U3.3 | length 1942.5
  Top Layer w8: U3.3 1695.16,915.16 1705,925 1705,1340 1585,1460 1585,1790 1614.69,1819.69 1700.9,1819.69 MD2.29
  Top Layer w10: MD2.29 1855,1820 1980,1695 2415,1695 P5.6
PA7: MD2.30 P5.5 U3.11 | length 2078.4
  Top Layer w8: v1(1610,1775) 1610,1465 1725,1350 1725,735 1700.43,710.43 U3.11
  Top Layer w10: v1(1610,1870) 1855,1870 1980,1745 P5.5
  Bottom Layer w10: v1(1610,1775) v1(1610,1870)
PB0: MD2.15 P4.11 R11.1 | length 1152.8
  Top Layer w10: P4.11 295,1395 1130,1395 ; MD2.15 1130,1395 ; R11.1 1165.92,1319.08 1130,1355 1130,1395
PB1: MD2.11 P4.10 R13.1 | length 1231.6
  Top Layer w10: P4.10 605,1545 730,1670 v1(815,1670) MD2.11 ; R13.1 v1(1076.39,1310)
  Bottom Layer w10: v1(815,1670) 815,1410 915,1310 v1(1076.39,1310)
PB2: MD2.10 P4.7 | length 737.4
  Top Layer w10: P4.7 295,1595 590,1595 715,1720 MD2.10
PB3: MD2.9 P2.2 P3.2 P4.8 | length 1671.7
  Top Layer w10: P4.8 575,1645 700,1770 MD2.9
  Bottom Layer w8: P3.2 165,940 165,1550 210,1595 295,1595 P4.8
  Bottom Layer w60: P3.2 P2.2
PB4: MD2.8 P2.1 P3.1 P4.5 | length 1921.9
  Top Layer w10: P4.5 295,1695 560,1695 685,1820 MD2.8
  Bottom Layer w8: P3.1 140,865 140,1640 P4.5
  Bottom Layer w60: P3.1 P2.1
PB5: MD2.7 P4.6 | length 616.7
  Top Layer w10: P4.6 545,1745 670,1870 MD2.7
PC0: MD2.21 P5.10 R9.1 | length 1365.6
  Top Layer w10: R9.1 1347.95,1256.42 1358.7,1267.17 1358.7,1270.12 1430,1341.42 v1(1430,1400) MD2.21
  Bottom Layer w10: v1(1430,1400) 1685,1400 1780,1495 2415,1495 P5.10
PC1: MD2.20 P5.11 R10.1 | length 1322.3
  Top Layer w10: R10.1 1258.41,1257.83 1380,1379.42 v1(1380,1400) MD2.20
  Bottom Layer w10: v1(1380,1400) 1420,1360 1710,1360 1795,1445 P5.11
PC4: MD2.19 P5.12 R12.1 | length 2052.4
  Top Layer w10: v1(1330,1400) MD2.19 ; P5.12 2510,1445 2541.5,1476.5 R12.1
  Bottom Layer w10: v1(1330,1400) 1405,1325 1740,1325 1810,1395 2415,1395 P5.12
PC5: MD2.18 P5.13 R14.1 | length 2208.3
  Top Layer w10: v1(1280,1400) MD2.18 ; R14.1 2349.45,2141.18 2515,1975.63 2515,1515 2495,1495 2435,1495 2415,1475 2415,1395 P5.13
  Bottom Layer w10: v1(1280,1400) 1390,1290 1765,1290 1820,1345 P5.13
PC6: MD2.17 P5.14 R15.1 | length 2537
  Top Layer w10: v1(1230,1400) MD2.17 ; R15.1 v1(2205,2141.18)
  Bottom Layer w10: v1(1230,1400) 1375,1255 1785,1255 1825,1295 2415,1295 P5.14 2540,1420 2540,1960 2358.82,2141.18 v1(2205,2141.18)
PC7: MD2.16 P5.15 R16.1 | length 2532.3
  Top Layer w10: v1(1180,1400) MD2.16 ; R16.1 v1(2000,2141.18) ; v1(2200,1520) 2200,1295 2250,1245 P5.15
  Bottom Layer w10: v1(1180,1400) 1365,1215 1800,1215 1830,1245 P5.15 ; v1(2000,2141.18) 2200,1941.18 v1(2200,1520)
PD0: MD2.31 P5.4 | length 836.3
  Top Layer w10: MD2.31 1855,1920 1980,1795 2415,1795 P5.4
PD1: MD2.32 P5.3 | length 715.6
  Top Layer w10: MD2.32 1855,1970 1980,1845 P5.3
PD3: MD2.34 P5.2 | length 857
  Top Layer w10: MD2.34 1810,2070 1985,1895 2415,1895 P5.2
PD4: MD2.35 P5.1 | length 736.3
  Top Layer w10: MD2.35 1805,2120 1980,1945 P5.1
ROM_BOOT_RX: MD2.23 P1.1 R6.1 U3.1 | length 1483.8
  Top Layer w10: MD2.23 1528.66,1488.66 1528.66,1180 ; v1(1555,1180) 1528.66,1180 ; U3.1 1646.22,1028.78 1628.58,1046.42 R6.1 1528.66,1082.76 1528.66,1180
  Bottom Layer w10: v1(1555,1180) 2275,1180 P1.1
ROM_BOOT_SEL: MD2.26 SW2.1 | length 1302.6
  Top Layer w8: MD2.26 1700.9,1669.69 1644.69,1669.69 1630,1655 1630,1480 1945,1165 2448.35,1165 2500,1113.35 SW2.1
ROM_BOOT_TX: MD2.22 P1.2 R5.1 U3.5 | length 1744.3
  Top Layer w10: MD2.22 1480,895 1531.42,843.58 R5.1 1567.95,843.58 1588.35,863.98 U3.5
  Bottom Layer w10: v1(1480,1155) 2200,1155 P1.2
USBN: MD2.13 P4.12 | length 616.7
  Top Layer w10: P4.12 640,1445 765,1570 MD2.13
USBP: MD2.12 P4.9 | length 737.4
  Top Layer w10: P4.9 295,1495 625,1495 750,1620 MD2.12
VBAT: BT1.1 C3.1 L1.1 MD1.4 MT3608.4 MT3608.5 | length 1008.4
  Bottom Layer w60: MD1.4 200,625 320,505 320,255 437.52,137.48 BT1.1
pads on no net: H1.0 H2.0 H3.0 H4.0 J1.MH1 J1.MH2

## Polygon pours and split planes (outlines as drawn)
GND on Top Layer "GND_L01_P004" (solid, remove dead copper, pour order 4): -5,120 ccw(c115,120) 115,0 1483.64,0 1483.64,0.45 ccw(c1480,15) 1495,15 cw(c1510,15) 1510,30 2095,30 cw(c2095,15) 2110,15 ccw(c2125,15) 2125,0 2535,0 ccw(c2535,120) 2655,120 2655,2680 ccw(c2535,2680) 2535,2800 1760,2800 ccw(c1760,2750) 1710,2750 1710,2610 cw(c1660,2610) 1660,2560 950,2560 cw(c950,2610) 900,2610 900,2750 ccw(c850,2750) 850,2800 115,2800 ccw(c115,2680) -5,2680
NetD1_1 on Top Layer "NETD1_1_L01_P001" (solid, remove dead copper, pour order 1): 615,410 615,690 840,690 840,580 680,580 680,410
VBAT on Top Layer "VBAT_L01_P000" (solid, remove dead copper, pour order 0): 755,200 800,155 800,127.5 800,55 705,55 705,165 530,165 530,305 480,305 480,670 555,670 555,480 520,480 520,350 605,350 605,200
5V_BAT on Top Layer "5V_BAT_L01_P002" (solid, remove dead copper, pour order 2): 745,520 745,345 855,345 855,160 925,160 1075,160 1075,95 1240,95 1240,205 925,205 925,520
GND on Bottom Layer "GND_L02_P005" (solid, remove dead copper, pour order 5): -5,120 ccw(c115,120) 115,0 1483.64,0 1483.64,0.45 ccw(c1480,15) 1495,15 cw(c1510,15) 1510,30 2095,30 cw(c2095,15) 2110,15 ccw(c2125,15) 2125,0 2535,0 ccw(c2535,120) 2655,120 2655,2680 ccw(c2535,2680) 2535,2800 1760,2800 ccw(c1760,2750) 1710,2750 1710,2610 cw(c1660,2610) 1660,2560 950,2560 cw(c950,2610) 900,2610 900,2750 ccw(c850,2750) 850,2800 115,2800 ccw(c115,2680) -5,2680

## Keep-outs
Keep-Out Layer:
  lines w10: 1483.64,0 115,0 cw(c115,120) -5,120 -5,2680 cw(c115,2680) 115,2800 850,2800 cw(c850,2750) 900,2750 900,2610 ccw(c950,2610) 950,2560 1660,2560 ccw(c1660,2610) 1710,2610 1710,2750 cw(c1760,2750) 1760,2800 2535,2800 cw(c2535,2680) 2655,2680 2655,120 cw(c2535,120) 2535,0 2125,0 cw(c2125,15) 2110,15 ccw(c2095,15) 2095,30 1510,30 ccw(c1510,15) 1495,15 cw(c1480,15) 1483.64,0.45

## Other copper
Top Layer:
  pour cut-out: -5,480 195,480 195,325 140,270 -5,270
  pour cut-out: 615,705 615,465 555,465 555,670 465.87,670 465.87,705
Bottom Layer:
  pour cut-out: 480,480 480,665 cw(c495,665) 495,680 669.92,680 cw(c670,665) 685,665 685,480 cw(c670,480) 670,465 495,465 cw(c495,480)

## Silkscreen, mask and mechanical layers (free items; w line width, h text height)
Top Overlay:
  rectangle: 160,1055 425,1125
  rectangle: 160,955 425,1025
  rectangle: 165,755 425,825
  rectangle: 165,855 425,925
  lines w10: 1220,40 1375,40 ; 2465,1065 cw(c2465,1064.84) 2465.16,1064.84 ; 2537.03,640.39 cw(c2537.19,640.39) 2537.19,640.55
  text "Button" at 1847.5,2588.53 h50
  text "Button" at 2047.5,2588.53 h50
  text "Button" at 2252.5,2588.53 h50
  text "PC7" at 1847.5,2543.53 h50
  text "PC6" at 2047.5,2543.53 h50
  text "PC6" at 2252.5,2543.53 h50
  text "PC4" at 2447.5,2543.53 h50
  text "GND" at 123.47,2504.33 h50
  text "3.3V" at 123.47,2398.65 h50
  text "Button" at 2623.64,2330.04 h50 r90
  text "CC2538+CC2592 Module" at 900,2190 h50 r90
  text "TMS" at 100,1920 h50
  text "TCK" at 400,1920 h50
  text "PD4" at 2220,1920 h50
  text "PD3" at 2520,1920 h50
  text "TDO" at 100,1820 h50
  text "TDI" at 400,1820 h50
  text "PD1" at 2220,1820 h50
  text "PD0" at 2520,1820 h50
  text "PB4" at 100,1720 h50
  text "PB5" at 400,1720 h50
  text "PA7" at 2220,1720 h50
  text "PA6" at 2520,1720 h50
  text "PB2" at 100,1620 h50
  text "PB3" at 400,1620 h50
  text "PA5" at 2220,1620 h50
  text "PA4" at 2520,1620 h50
  text "PA2" at 2220,1525 h50
  text "USB+" at 100,1520 h40
  text "PB1" at 400,1520 h50
  text "PC0" at 2520,1520 h50
  text "PC1" at 2220,1425 h50
  text "PB0" at 100,1420 h50
  text "USB-" at 394.63,1420 h40
  text "PC4" at 2520,1420 h50
  text "GND" at 100,1320 h50
  text "3V3" at 400,1320 h50
  text "PC5" at 2220,1320 h50
  text "PC6" at 2520,1320 h50
  text "GND" at 100,1220 h50
  text "3V3" at 400,1220 h50
  text "PC7" at 2220,1220 h50
  text "GND" at 2519.51,1220 h50
  text "3V3" at 70,1065 h50
  text "3V3" at 425,1065 h50
  text "RX" at 2220,1065 h50
  text "GND" at 70,965 h50
  text "GND" at 425,965 h50
  text "TX" at 2220,965 h50
  text "LPC5" at 1101.39,930 h50 r90
  text "LPC4" at 1190.92,930 h50 r90
  text "LPC1" at 1280.46,930 h50 r90
  text "LPC0" at 1370,930 h50 r90
  text "PB3" at 70,865 h50
  text "SCL" at 420,865 h50
  text "GND" at 2220,860 h50
  text "SEL" at 2635,818.38 h50 r90
  text "PB4" at 70,765 h50
  text "SDA" at 425,765 h50
  text "3V3" at 2220,765 h50
  text "Slave 1" at 150,690 h40
  text "Slave 2" at 305,690 h40
  text "3V3" at 1010,580 h50
  text "LED 3V3" at 1562.94,518.97 h50 r90
  text "RESET" at 2635,425 h50 r90
  text "LED 5V" at 1565,342.94 h50 r90
  text "Solar pannel" at 300,320 h50 r90
  text "USB MicroB" at 1609.24,40.76 h50 r90
  text "5V" at 1222.5,36.87 h50
  text "BAT" at 1072.5,35 h50
  text "USB" at 1372.5,35 h50
Bottom Overlay:
  drawing of 90 lines, arcs and shapes, not listed
  text "Designed by Tinh Chau" at 1795.34,2395.6 h70
  text "CC2538DK V1.0" at 2632.5,2215 h100
  text "Ho Chi Minh City University of Technology" at 1795,2197.14 h70

## Text inside footprints (layer, text, board x,y; h text height)
BT1: Bottom Overlay "+" at 425,215 h400 r90; Bottom Overlay "-" at 304.27,2426.46 h400 r180; Mechanical 13 "+" at 790,15 h70 r90
C1: Top Overlay "+" at 950,245 h20 r90
C3: Top Overlay "+" at 630,245 h20 r90
D2: Top Overlay "+" at 1465,526.97 h20
D3: Top Overlay "+" at 1482.61,495.44 h20 r180
D4: Top Overlay "+" at 1950,795 h30 r270
D5: Top Overlay "+" at 1950,745 h30 r270
D6: Top Overlay "+" at 1319.25,1162.24 h20 r180
D7: Top Overlay "+" at 1229.71,1162.24 h20 r180
D8: Top Overlay "+" at 1140.18,1162.24 h20 r180
D9: Top Overlay "+" at 1051.7,1165 h20 r180
J1: Top Courtyard "PCB Edge" at 1753.82,0.08 h16
MD1: Top Overlay "BAT" at 55,585 h40 r90; Top Overlay "GND" at 55,485 h40 r90; Top Overlay "GND" at 55,385 h40 r90; Top Overlay "VIN" at 55,285 h40 r90
SW2: Top Overlay "ON" at 2470,765 h40 r90; Top Component Outline "ON" at 2531.5,872.01 h40 r180